# Altium PCB DMX512+6A鋰電充電測試.PcbDoc (continued)
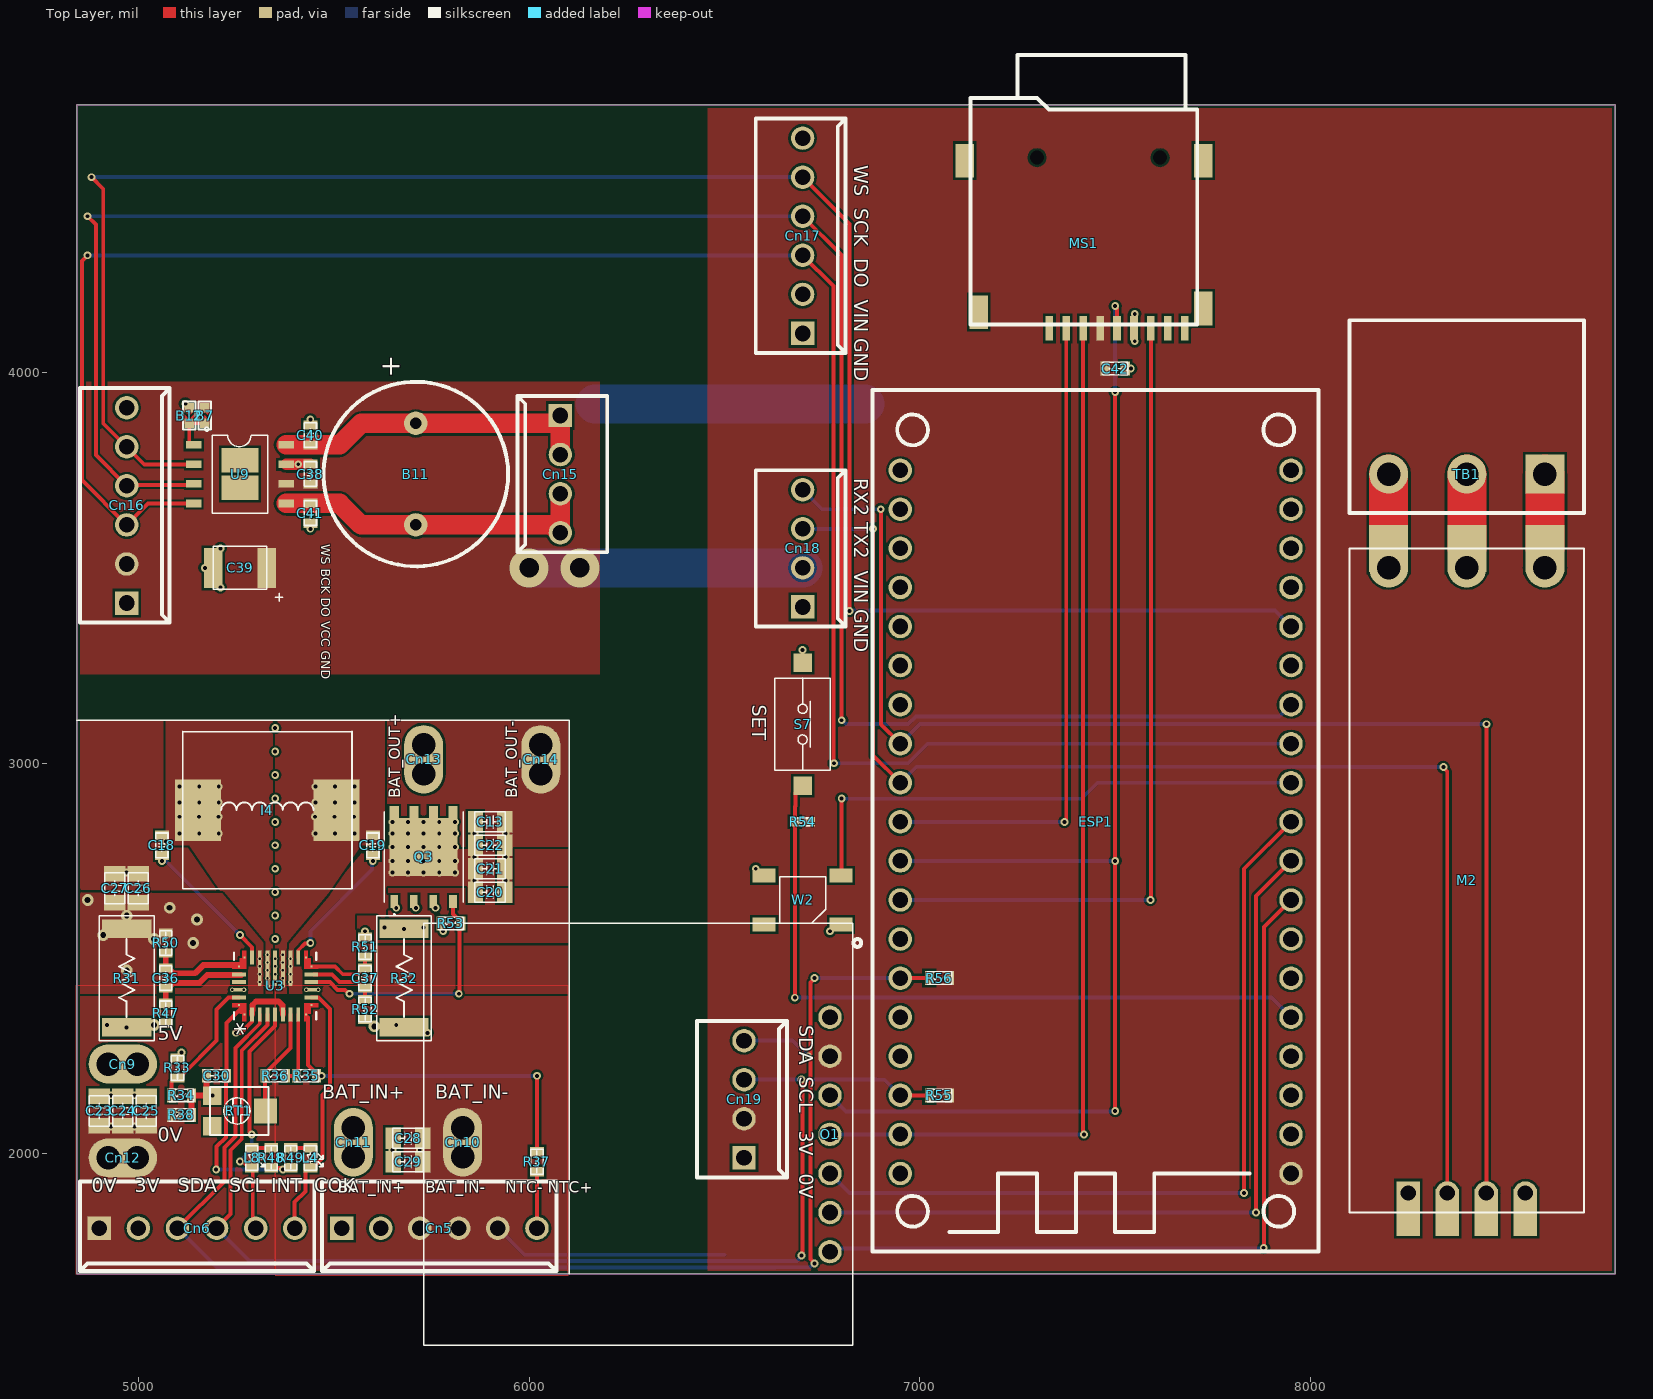
[diagram p0: Top Layer view]
## Components (designator, comment, footprint, x,y, rotation, side; value= is the part's Value field where it differs from the comment)
B7 "不上錫" BYPASS-0402 5170,3890 r90 top
B11 "5V" Buzzer_12085 5710,3740 r90 top
B12 "上錫" BYPASS-0402 5130,3890 r270 top
C13 "22uF 25V" "Cap SMD-0805" 5900,2850 r0 top
C18 "0.1uF 50V" "Cap SMD-0603" 5060,2790 r90 top
C19 "0.1uF 50V" "Cap SMD-0603" 5600,2790 r90 top
C20 "22uF 25V" "Cap SMD-0805" 5900,2670 r0 top
C21 "22uF 25V" "Cap SMD-0805" 5900,2730 r0 top
C22 "22uF 25V" "Cap SMD-0805" 5900,2790 r0 top
C23 "10uF 25V" "Cap SMD-0805" 4900,2110 r270 top
C24 "10uF 25V" "Cap SMD-0805" 4960,2110 r270 top
C25 "10uF 25V" "Cap SMD-0805" 5020,2110 r270 top
C26 "10uF 25V" "Cap SMD-0805" 5000,2680 r90 top
C27 "10uF 25V" "Cap SMD-0805" 4940,2680 r90 top
C28 "22uF 25V" "Cap SMD-0805" 5690,2040 r0 top
C29 "22uF 25V" "Cap SMD-0805" 5690,1980 r0 top
C30 "4.7uF 10V" "Cap SMD-0603" 5200,2200 r180 top
C36 "0.1uF 50V" "Cap SMD-0603" 5070,2450 r90 top
C37 "0.1uF 50V" "Cap SMD-0603" 5580,2450 r90 top
C38 "1uF 50V" "Cap SMD-0603" 5440,3740 r90 top
C39 "220uF 16V" "CAP SMD-B3528" 5260,3500 r180 top
C40 "1nF" "Cap SMD-0603" 5440,3840 r90 top
C41 "1nF" "Cap SMD-0603" 5440,3640 r90 top
C42 "1uF 50V" "Cap SMD-0603" 7500,4010 r0 top
Cn5 "KF2510-6" KF2510-6A 5520,1810 r90 top
Cn6 "KF2510-6" KF2510-6A 4900,1810 r90 top
Cn9 "Contact" "Stamp hole_1\"" 4997.5,2230 r270 top
Cn10 "Contact" "Stamp hole_1\"" 5830,2067.5 r0 top
Cn11 "Contact" "Stamp hole_1\"" 5550,2067.5 r0 top
Cn12 "Contact" "Stamp hole_1\"" 4997.5,1990 r270 top
Cn13 "Contact" "Stamp hole_1\"" 5730,3047.5 r0 top
Cn14 "Contact" "Stamp hole_1\"" 6030,3047.5 r0 top
Cn15 "KF2510-4" KF2510-4A 6080,3890 r0 top
Cn16 "KF2510-6" KF2510-6A 4970,3410 r180 top
Cn17 "KF2510-6" KF2510-6A 6700,4100 r180 top
Cn18 "KF2510-4" KF2510-4A 6700,3400 r180 top
Cn19 "KF2510-4" KF2510-4A 6550,1990 r180 top
ESP1 "ESP32_Node32s" "ESP32 Module" 7450,3050 r180 top locked
I4 "1.5uH" Inductor-1040 5330,2880 r0 top locked
L4 "藍" "LED SMD-0603" 5440,1990 r90 top
L8 "藍" "LED SMD-0603" 5290,1990 r90 top
M2 "RS485toTTL_AUTO" "RS485_AUTO MODULE" 8400,2700 r90 top
MS1 "SD Socket Micro" "SD  CARD SOCKET_Micro" 7416.14,4112.99 r0 top
O1 "排母 1*7P" OLED-SPI/I2C 6770,2050 r270 top locked
Q3 "BSC030N08NS5ATMA1" TDSON-8 5730,2760 r0 top
R31 "10m" "Res SMD-2512" 4970,2450 r90 top
R32 "10m" "Res SMD-2512" 5680,2450 r90 top
R33 "NC" "Res SMD-0603" 5100,2220 r270 top
R34 "NC" "Res SMD-0603" 5110,2150 r0 top
R35 "NC" "Res SMD-0603" 5430,2200 r0 top
R36 "NC" "Res SMD-0603" 5350,2200 r0 top
R37 "NC" "Res SMD-0603" 6020,1980 r90 top
R38 "0R" "Res SMD-0603" 5110,2100 r0 top
R47 "2R" "Res SMD-0603" 5070,2360 r90 top
R48 "330R" "Res SMD-0603" 5340,1990 r90 top
R49 "330R" "Res SMD-0603" 5390,1990 r270 top
R50 "2R" "Res SMD-0603" 5070,2540 r270 top
R51 "2R" "Res SMD-0603" 5580,2530 r270 top
R52 "2R" "Res SMD-0603" 5580,2370 r90 top
R53 "5MR" "Res SMD-0603" 5800,2590 r0 top
R54 "10K" "Res SMD-0402" 6700,2850 r180 top
R55 "2.4K" "Res SMD-0603" 7050,2150 r0 top
R56 "2.4K" "Res SMD-0603" 7050,2450 r0 top
RT1 "10K" "Res SMD-EVM3ESX50B" 5260,2110 r270 top
S7 "Switch" "Switch SMD-3.6*6*2.5" 6700,3100 r270 top
TB1 "HT508R-5.08 _3P" "Terminal block(KF2EDGR-5.08 _3P)" 8600,3740 r180 top
U3 "MP2760GVT" TQFN-30_MP2760_MNP 5350,2430 r90 top value=MP2760GVT-0000-P
U9 "NS4168" SOP-8 5260,3740 r0 top
W2 "WS2812B" "LED SMD-WS2812B" 6700,2650 r0 top

## Footprints (in the part's own frame and the unit in brackets; to place one, negate y for a bottom-side part, rotate by r counter-clockwise, add the part's x,y. Pads: shape width x height; smd on the part's side, far side on the other; paste and mask are expansions set on the pad)
Buzzer_12085 [mil] "蜂鳴器"
  round 60 hole 30: 1(129.92,0) 2(-129.92,0)
  silkscreen extent -236,-236 236,236
BYPASS-0402 [mm] "短接焊點"
  rect 0.6x0.6 smd: 1(-0.5,0) 2(0.5,0)
  Top Layer region: -0.05,-0.3 0.25,0 -0.05,0.3 0.55,0.3 0.55,-0.3
  Top Layer region: -0.575,-0.3 -0.575,0.3 -0.275,0.3 0.025,0 -0.275,-0.3
  silkscreen extent -0.9,-0.4 0.9,0.4
"Cap SMD-0603" [mm] "電容 SMD"
  rect 0.6x0.9 smd: 1(-0.65,0) 2(0.65,0)
  silkscreen extent -0.8,-0.4 0.8,0.4, body extent -0.8,-0.4 0.8,0.4, height 0.3
"Cap SMD-0805" [mm] "電容 SMD"
  rect 1x1.4 smd: 1(-0.95,0) 2(0.95,0)
  silkscreen extent -1,-0.65 1,0.65, body extent -1,-0.62 1,0.63, height 1.25
"CAP SMD-B3528" [mm] "鉭電容 B型"
  rect 1.2x2.6 smd: 1(-1.75,0) 2(1.75,0)
  silkscreen extent -2.79,-1.4 1.75,2.16, body extent -1.75,-1.4 1.75,1.4, height 1.91
"ESP32 Module" [mil] "ESP32模組"
  round 60 hole 40: 0(500,-200) 1(500,800) 2(500,-300) 3(500,700) 4(500,-100) 5(500,200) 6(500,-700) 7(500,-600) 8(500,-500) 9(-500,-400) 10(-500,-500) 11(-500,-600) 12(-500,-100) 13(-500,-300) 14(-500,0) 15(500,-400) 16(500,0) 17(500,100) 18(500,300) 19(500,400) 21(500,600) 22(500,900) 23(500,1000) 25(-500,300) 26(-500,200) 27(-500,100) 32(-500,500) 33(-500,400) 34(-500,700) 35(-500,600) 36(-500,900) 39(-500,800) 40(-500,-700) 41(-500,-200) 41(500,1100) 41(500,500) 42(-500,1100) 43(-500,1000)
  silkscreen extent -571,-906 571,1299, body extent -550,-907 550,1281, height 281
Inductor-1040 [mm] "一體式電感"
  rect 3x4 smd: 1(-4.5,0) 2(4.5,0)
  silkscreen extent -5.5,-5.1 5.5,5.1, body extent -4.33,-4.13 4.33,4.13, height 4
KF2510-4A [mil] "防呆接頭(4P)"
  rect 60x60 hole 40: 1(0,0)
  round 60 hole 40: 2(0,-100) 3(0,-200) 4(0,-300)
  silkscreen extent -110,-350 120,50, body extent -114,-348 114,50, height 461
KF2510-6A [mil] "防呆接頭(6P)"
  rect 60x60 hole 40: 1(0,0)
  round 60 hole 40: 2(0,-100) 3(0,-200) 4(0,-300) 5(0,-400) 6(0,-500)
  silkscreen extent -110,-550 120,50, body extent -110,-549 118,49, height 124
"LED SMD-0603" [mm] "發光二極體 SMD"
  rect 0.6x0.9 smd: 1(-0.65,0) 2(0.65,0)
  silkscreen extent -0.8,-0.84 0.8,0.4, body extent -0.5,-0.25 0.5,0.25, height 0.16
"LED SMD-WS2812B" [mm] "WS2812B燈珠"
  rect 1.5x0.9 smd: 1(-2.5,1.6) 2(-2.5,-1.6) 3(2.5,-1.6) 4(2.5,1.6)
  silkscreen extent -1.5,-3.05 3.81,1.5, body extent -2.7,-2.5 2.7,2.5, height 1.7
OLED-SPI/I2C [mil] "0.96吋OLED顯示器"
  round 60 hole 40: 1(-300,0) 2(-200,0) 3(-100,0) 4(0,0) 5(100,0) 6(200,0) 7(300,0)
  silkscreen extent -540,-1040 540,59, body extent -535,-1037 540,57, height 201
"Res SMD-0402" [mm] "1/16W電阻 SMD"
  rect 0.6x0.6 smd: 1(-0.5,0) 2(0.5,0)
  silkscreen extent -0.5,-0.25 0.5,0.25, body extent -0.5,-0.25 0.5,0.25, height 0.3
"Res SMD-0603" [mm] "1/10W電阻 SMD"
  rect 0.6x0.9 smd: 1(-0.65,0) 2(0.65,0)
  silkscreen extent -0.8,-0.4 0.8,0.4, body extent -0.8,-0.4 0.8,0.4, height 0.45
"Res SMD-2512" [mm] "電阻 SMD"
  rect 1.2x3.2 smd: 1(-3.2,0) 2(3.2,0)
  silkscreen extent -4.06,-1.78 4.06,1.78, body extent -3.21,-1.6 3.21,1.6, height 0.58
"Res SMD-EVM3ESX50B" [mm] "精密可變電阻-EVM3ESX50B"
  rect 1.2x1.2 smd: 1(-1,-1.8) 2(1,-1.8)
  rect 1.6x1.5 smd: 3(0,1.65)
  silkscreen extent -1.55,-1.95 1.55,1.85, body extent -1.55,-1.95 1.55,1.85, height 1.62
"RS485_AUTO MODULE" [mil] "RS485轉TTL模組"
  rect 120x60 smd: 1(-850,150) 2(-850,50) 3(-850,-50) 4(-850,-150)
  rect 60x60 hole 39.37: 1(-800,150)
  round 60 hole 39.37: 2(-800,50) 3(-800,-50) 4(-800,-150)
  round 100 hole 60: 5(800,-200) 6(800,0) 7(800,200)
  rect 120x100 smd: 5(850,-200) 6(850,0) 7(850,200)
  silkscreen extent -850,-300 850,300
"SD  CARD SOCKET_Micro" [mm] "Micro SD卡座"
  rect 0.5x1.6 smd: 1(-2.15,0) 2(-1.05,0) 3(0.05,0) 4(1.15,0) 5(2.25,0) 6(3.35,0) 7(4.45,0) 8(5.55,0) 9(6.65,0)
  rect 1.2x2.2 smd: 10(-7.65,10.9) 10(-6.75,1.05) 10(7.85,1.3) 10(7.85,10.9)
  round 0 hole 0.9: 10(-2.95,11.1) 10(5.05,11.1)
  silkscreen extent -7.27,0.25 7.47,17.78, body extent -7.9,-0.12 8.1,17.78, height 1.85
SOP-8 [mm]
  rect 2.4x1.6 smd: 0(0,-0.889) 0(0,0.889)
  rect 1x0.5 smd: 1(-3,1.905) 2(-3,0.635) 3(-3,-0.635) 4(-3,-1.905) 5(3,-1.905) 6(3,-0.635) 7(3,0.635) 8(3,1.905)
  silkscreen extent -2.29,-2.54 1.8,3.05, body extent -3.02,-2.51 3.02,2.51, height 1.6
"Stamp hole_1\"" [mil] "郵票孔100mil"
  round 100 hole 60: 1(0,0) 1(0,-75)
  oval 100x175 all layers, no hole: 1(0,-37.5)
"Switch SMD-3.6*6*2.5" [mm] "按鍵開關"
  rect 1.2x1.2 smd: 1(-4,0) 2(4,0)
  silkscreen extent -3,-1.8 3,1.8, body extent -4,-1.8 4,1.8, height 2.6
TDSON-8 [mm]
  rect 0.5x0.85 smd: 1(-1.905,-2.9) 2(-0.635,-2.9) 3(0.635,-2.9) 4(1.905,-2.9)
  rect 0.6x0.8 smd: 5(1.905,2.925) 6(0.635,2.925) 7(-0.635,2.925) 8(-1.905,2.925)
  rect 4.41x3.75 smd: 9(0,0.65)
  silkscreen extent -2.58,-3.8 2.58,2.95, body extent -2.58,-3.27 2.58,3.26, height 1.1
"Terminal block(KF2EDGR-5.08 _3P)" [mil] "端子台(KF2EDGR-5.08 _3P))"
  rect 100x100 hole 60: 1(0,0)
  round 100 hole 60: 2(200,0) 3(400,0)
  silkscreen extent -100,-394 500,100, body extent -100,-800 500,89, height 612
TQFN-30_MP2760_MNP [mm]
  rect 0.127x0.127 smd paste-0.064 mask-0.064: 1(-1.85,2) 9(-1.85,-2) 10(-1.25,-2.35) 15(1.25,-2.35) 16(1.85,-2) 24(1.85,2) 25(1.25,2.35) 30(-1.25,2.35)
  rect 0.9x0.25 smd paste+0 mask+0: 2(-1.85,1.5) 3(-1.85,1) 4(-1.85,0.5) 5(-1.85,0) 6(-1.85,-0.5) 7(-1.85,-1) 8(-1.85,-1.5) 17(1.85,-1.5) 23(1.85,1.5)
  rect 0.25x0.9 smd paste+0 mask+0: 11(-0.75,-2.35) 12(-0.25,-2.35) 13(0.25,-2.35) 14(0.75,-2.35) 26(0.75,2.35) 27(0.25,2.35) 28(-0.25,2.35) 29(-0.75,2.35)
  rect 2.3x0.25 smd paste+0 mask+0: 18(1.15,-1) 19(1.15,-0.5) 20(1.15,0) 21(1.15,0.5) 22(1.15,1)
  Top Layer region: 1.8,2.125 2.3,2.125 2.3,1.875 1.125,1.875 1.125,2.8 1.375,2.8 1.375,2.3 1.8,2.3
  Top Layer region: -1.8,-2.125 -2.3,-2.125 -2.3,-1.875 -1.125,-1.875 -1.125,-2.8 -1.375,-2.8 -1.375,-2.3 -1.8,-2.3
  Top Layer region: 1.8,-2.125 2.3,-2.125 2.3,-1.875 1.125,-1.875 1.125,-2.8 1.375,-2.8 1.375,-2.3 1.8,-2.3
  Top Layer region: -1.8,2.125 -2.3,2.125 -2.3,1.875 -1.125,1.875 -1.125,2.8 -1.375,2.8 -1.375,2.3 -1.8,2.3
  silkscreen extent -2.17,-2.68 2.17,2.68, body extent -2.55,-2.55 2.55,2.55, height 0.9

## Part data
B7 B12: library part Bypass, "短路焊點"
B11: library part Buzzer, "無源蜂鳴器"
C13 C18 C19 C20 C21 C22 C23 C24 C25 C26 C27 C28 C29 C30 C36 C37 C38 C39 C40 C41 C42: library part Cap, "電容"
  C23 C24 C25 C26 C27 C30 C36 C37: ComponentLink1Description=datasheet, ComponentLink1URL=chrome-extension://efaidnbmnnnibpcajpcglclefindmkaj/https://product.tdk.com/system/files/dam/doc/product/capacitor/ceramic/mlcc/catalog/mlcc_commercial_general_en.pdf
  C38 C39 C40 C41: ComponentLink1Description=datasheet, ComponentLink1URL=https://product.tdk.com/system/files/dam/doc/product/capacitor/ceramic/mlcc/catalog/mlcc_commercial_general_en.pdf
Cn5 Cn6 Cn16 Cn17: library part Contact(6P), "接線端子"
Cn9 Cn10 Cn11 Cn12 Cn13 Cn14: "接線端子、接點、郵票孔"
Cn15 Cn18 Cn19: library part Contact(4P), "接線端子"
ESP1: "WIFI通訊模組"
I4: library part Inductor, "一體成型電感"
L4 L8: library part LED, "LED"
M2: "TTLtoRS485"
MS1: "Micro SD 卡座"
O1: library part OLED_SPI/I2C, "OLED-SSD1306"
Q3: library part MOS_N_TDSON-8, "場效電晶體_N", Manufacturer_Name=Infineon, Mouser2 Part Number=726-BSC030N08NS5ATMA, Datasheet Link=https://componentsearchengine.com//BSC030N08NS5ATMA1.pdf, Height=1mm, Manufacturer_Part_Number=BSC030N08NS5ATMA1, Mouser2 Price/Stock=https://www.mouser.com/Search/Refine.aspx?Keyword=726-BSC030N08NS5ATMA
R31 R32 R33 R34 R35 R36 R37 R38 R47 R48 R49 R50 R51 R52 R53 R54 R55 R56: library part Res, "電阻"
RT1: library part Res-Tap, "電阻_可變"
S7: "開關_按鍵"
TB1: library part "Terminal block(3P)", "端子台"
U3: "集成 NVDC 电源路径管理的1-4节电池升降压充电IC", Manufacturer_Part_Number=MP2760GVT-0000-P, Mfr_Name="Monolithic Power Systems", #1=當輸入缺失時，MP2760可以以反向方式運作，通過I2C/SMBus控制從電池為輸入提供電源。, #2=當輸入缺失且源模式被禁用時，MP2760以待機模式運作。在待機模式中，系統通過外部電池FET（BATFET）由電池供電。, C="Copyright (C) 2021 Accelerated Designs. All rights reserved", ComponentLink1Description=datasheet, ComponentLink1URL=https://www.monolithicpower.cn/cn/documentview/productdocument/index/version/2/document_type/Datasheet/lang/en/sku/MP2760GVT/document_id/9800/, Copyright="Copyright (C) 2023 Ultra Librarian. All rights reserved."
U9: "I2S音频功率放大器", ComponentLink1Description=datssheet, ComponentLink1URL=http://www.szczkjgs.com/UploadFiles/fujian/3725/NS4168.pdf
W2: "LED_可控燈珠"

## Via types
v1: diameter 20, hole 10, Top Layer to Bottom Layer, tented both sides, 143 vias
v2: diameter 12, hole 6, Top Layer to Bottom Layer, tented both sides, 26 vias
v3: diameter 30, hole 15, Top Layer to Bottom Layer, tented both sides, 10 vias
v4: diameter 100, hole 50, Top Layer to Bottom Layer, tented both sides, 2 vias

## Nets (pads, with @x,y where several pads share a name; then routed paths per layer and width w, separated by ;. In a path a pad name is that pad's centre, name@x,y a point inside that pad or via, vN(x,y) a via of type N, cw(c..) or ccw(c..) an arc to the next point about the centre after c; other vN are vias at no path point)
+3.3: Cn6.2
+5_USB: C23.1 C24.1 C25.1 Cn9.1 R31.1 R33.1 R47.1 U3.28
  other v1: 4930,2150 4990,2150 5110,2260 4970,2324.02 4920,2330
  other v2: 5240,2420 5270,2420
  other v3: 5040,2330
+BAT: C13.1 C20.1 C21.1 C22.1 Cn13.1 Q3.5 Q3.6 Q3.7 Q3.8 Q3.9 U3.18
  other v1: 5860,2700 5650,2720 5690,2720 5730,2720 5770,2720 5810,2720 5650,2750 5690,2750 5730,2750 5770,2750 5810,2750 5860,2760 5650,2785.59 5690,2785.59 5730,2785.59 5770,2785.59 5810,2785.59 5650,2820 5690,2820 5730,2820 5770,2820 5810,2820 5860,2820 5650,2850 5690,2850 5730,2850 5770,2850 5810,2850
  other v2: 5389.37,2440 5389.37,2460 5389.37,2480 5389.37,2500
AGND: C30.2 R34.2 R38.2 RT1.1 U3.2 U3.6 | length 547.1
  Top Layer w10: v1(5250,2310) 5262.29,2310 5290.87,2338.58 5290.87,2357.09 U3.2
  Top Layer w15: R38.2 R34.2 5188.5,2150 5174.41,2164.09 C30.2 ; U3.2 5290.94,2366.12 5292.21,2367.38 5292.21,2381.21 5301,2390 5358.9,2390 5368.42,2380.47 5368.42,2367.38 5369.69,2366.12 U3.6
  Layer 2 w10: v1(5190,2150) 5250,2210 v1(5250,2310)
BAT_IN: C28.1 C29.1 Cn5.1 Cn5.2 Cn11.1 R32.1 R52.1 U3.12
  other v1: 5650,2010 5740,2310 5660,2330
  other v2: 5430,2420 5460,2420
  other v3: 5603.72,2326.6
BCK: Cn16.4 Cn17.4 ESP1.12 U9.3 | length 5241.7
  Top Layer w10: v1(4870,4400) 4891,4379 4891,3789 Cn16.4 4972.5,3712.5 5139.39,3712.5 U9.3 ; Cn17.4 6799,4301 6799,3111 v1(6800,3110)
  Bottom Layer w10: v1(4870,4400) Cn17.4 ; v1(6800,3110) 6800.86,3110 6810.86,3100 6970,3100 6990,3120 7920,3120 ESP1.12
CLK: ESP1.18 MS1.5 O1.3 | length 3416.4
  Top Layer w10: v1(7500,2110) v1(7500,2750) v1(7500,3950) ; v1(7500,4170) 7500,4167.29 7504.72,4162.57 MS1.5
  Bottom Layer w10: O1.3 6811,2109 7499,2109 v1(7500,2110) ; ESP1.18 v1(7500,2750) ; v1(7500,3950) v1(7500,4170)
DO: Cn16.3 Cn17.3 ESP1.14 U9.4 | length 5292
  Top Layer w10: v1(4870,4300) 4855.49,4285.49 4855.49,3724.51 Cn16.3 5025,3665 U9.4 ; Cn17.3 6779,4221 6779,3001 v1(6780,3000)
  Bottom Layer w10: v1(4870,4300) 5000,4300 Cn17.3 ; v1(6780,3000) 6970,3000 7020,3050 ESP1.14
ESP32_3.3: C42.1 Cn19.2 ESP1.42 MS1.4 O1.2 R54.1 R55.2 R56.2
GND: B12.1 C13.2 C20.2 C21.2 C22.2 C23.2 C24.2 C25.2 C26.2 C27.2 C28.2 C29.2 C38.2 C39.2 C40.2 C41.1 C42.2 Cn5.3 Cn5.4 Cn5.5 Cn6.1 Cn10.1 Cn12.1 Cn14.1 Cn16.1 Cn17.1 Cn18.1 Cn19.1 ESP1.41 M2.1 MS1.6 O1.1 R38.1 S7.1 U3.20 U9.7 W2.3 | length 1361.7
  Top Layer w30: U9.7 5378.41,3765.3 5439.7,3765.3 C38.2
  Bottom Layer w10: Cn5.5 5988,1742 6500,1742
  Bottom Layer w100: 6168.58,3920 6860,3920
  other v1: 5720,2010 4930,2070 4990,2070 5100,2100 5350,2550 6770,2570 5350,2610 5350,2670 5940,2700 4970,2720 5350,2730 5940,2760 5350,2790 5940,2820 5350,2850 5350,2910 5350,2970 5350,3030 5350,3090 6700,3290 5210,3450 5170,3500 5210,3550 5440,3600 5409.06,3765.3 5440,3880 5120,3920 7540,4010 7550,4080 7550,4150
  other v2: 5350,2440 5350,2460 5350,2480 5350,2500
IA_N: C36.2 R50.2 U3.24 U3.25 | length 246.1
  Top Layer w15: R50.2 C36.2 5075.91,2475.59 5089,2462.5 5145.1,2462.5 5165.87,2483.26 5263.26,2483.26
IA_P: C36.1 R47.2 U3.26 | length 246.1
  Top Layer w15: R47.2 C36.1 5075.91,2424.41 5089,2437.5 5155.46,2437.5 5176.22,2458.26 U3.26@5263.26,2458.26
MI: ESP1.19 MS1.7 | length 2103.5
  Top Layer w10: v1(7590,2650) 7591.34,2651.34 MS1.7
  Bottom Layer w10: ESP1.19 v1(7590,2650)
MO: ESP1.23 MS1.3 O1.4 | length 2713.8
  Top Layer w10: MS1.3 7418.11,2051.89 v1(7420,2050)
  Bottom Layer w10: O1.4 ESP1.23 v1(7420,2050)
MP2670_INT: Cn6.5 L8.1 U3.5 | length 611.1
  Top Layer w10: v1(5260,1981) 5261.91,1979.09 5269.42,1979.09 5284.09,1964.41 5285.91,1964.41 5292.72,1957.6 5292.72,1817.28 Cn6.5 ; v1(5290,2050) 5284.43,2055.57 5284.43,2261.81 5350,2327.37 U3.5
  Bottom Layer w10: v1(5260,1981) 5290,2011 v1(5290,2050)
NetB7_1: B7.1 B12.2 U9.1 | length 104.4
  Top Layer w10: U9.1 5134.84,3815 5130,3819.84 B12.2 B7.1
NetB11_1: B11.1 C40.1 Cn15.1 Cn15.2 U9.8 | length 833
  Top Layer w50: U9.8 5515.24,3815 5570.16,3869.92 B11.1 6059.92,3869.92 Cn15.1 Cn15.2
NetB11_2: B11.2 C41.2 Cn15.3 Cn15.4 U9.5 | length 831.4
  Top Layer w50: U9.5 5515.24,3665 5570.16,3610.08 B11.2 6057.22,3610.08 6077.29,3590 6080,3592.71 Cn15.3
NetC18_1: C18.1 U3.23 | length 348.7
  Top Layer w10: v1(5260,2560) 5290.94,2529.06 U3.23
  Bottom Layer w10: v1(5060,2750) 5070,2750 v1(5260,2560)
NetC18_2: C18.2 I4.1 U3.21
  other v1: 5070,2800 5105.67,2820 5155.67,2820 5205.67,2820 5104.8,2863.02 5154.8,2863.02 5204.8,2863.02 5105.67,2900 5155.67,2900 5205.67,2900 5105.67,2940 5155.67,2940 5205.67,2940
  other v2: 5330.31,2430 5330.31,2450 5330.31,2470 5330.31,2490 5330.31,2510
NetC19_1: C19.1 U3.17 | length 349
  Top Layer w10: U3.17 5409.13,2502.91 5409.13,2521.42 5426.18,2538.47 5438.47,2538.47 v1(5440,2540) ; C19.1@5587.28,2757.6 5594.09,2764.41 C19.1
  Bottom Layer w10: v1(5440,2540) 5440,2570 5598.09,2728.09 5598.09,2748.09 v1(5600,2750)
NetC19_2: C19.2 I4.2 U3.19
  other v1: 5590,2800 5452.83,2820 5502.83,2820 5552.83,2820 5451.96,2863.02 5501.96,2863.02 5551.96,2863.02 5452.83,2900 5502.83,2900 5552.83,2900 5452.83,2940 5502.83,2940 5552.83,2940
  other v2: 5369.69,2430 5369.69,2450 5369.69,2470 5369.69,2490 5369.69,2510
NetC26_1: C26.1 C27.1 R31.2 R50.1 U3.22
  other v2: 5310.63,2440 5310.63,2460 5310.63,2480 5310.63,2500
  other v3: 4970,2470 5140,2540 5040,2550 4910,2560 5150,2600 4970,2610 5080,2630 4870,2650
NetC30_1: C30.1 R48.1 R49.2 U3.1 U3.30 | length 670.4
  Top Layer w10: v1(5199,1960) 5200,1961 5200,2018.7 5223.76,2042.45 5223.76,2198.17 C30.1 5225.59,2335.59 5270,2380 ; R48.1 5370,1964.41 R49.2
  Bottom Layer w10: v1(5199,1960) v1(5370,1960)
NetCn6_6: Cn6.6 L4.1 U3.11 | length 665.2
  Top Layer w10: Cn6.6 5400,1876.92 5427.28,1904.21 5427.28,1957.6 5434.09,1964.41 L4.1 5445.91,1964.41 5471.36,1989.86 5471.36,2151.36 5490,2170 5490,2371.5 5461.11,2400.39 5442.6,2400.39 U3.11
NetESP1_34: ESP1.34 R54.2 S7.2 | length 1841.5
  Top Layer w10: v1(6680,2400) 6680.16,2400.16 6680.16,2849.84 R54.2 6680.31,2889.82 6681.38,2890.89 6681.38,2923.9 S7.2
  Bottom Layer w10: v1(6680,2400) 7900,2400 ESP1.34
NetL4_2: L4.2 R49.1 | length 50
  Top Layer w10: R49.1@5380,2015.59 L4.2@5430,2015.59
NetL8_2: L8.2 R48.2 | length 50
  Top Layer w10: L8.2@5280,2015.59 R48.2@5330,2015.59
NetM2_5: M2.5 TB1.1 | length 190
  Top Layer w100: M2.5@8600,3550 TB1.1
NetM2_6: M2.6 TB1.2 | length 190
  Top Layer w100: M2.6@8400,3550 TB1.2
NetM2_7: M2.7 TB1.3 | length 190
  Top Layer w100: M2.7@8200,3550 TB1.3
NetQ3_1: Q3.1 Q3.2 Q3.3 R32.2 R51.1 R53.1
  other v1: 5580,2570 5780,2570 5680,2575.98 5630,2580 5730,2580 5660,2630 5710,2630 5760,2630
NetQ3_4: Q3.4 R53.2 U3.13 | length 637.9
  Top Layer w10: U3.13 5490.16,2439.84 5510,2420 5529.14,2420 5539.14,2410 v1(5540,2410) ; Q3.4 5805,2614.09 5816.38,2602.72 5818.78,2602.72 5825.59,2595.91 R53.2 5821.91,2586.32 5821.91,2411.91 v1(5820,2410)
  Bottom Layer w10: v1(5540,2410) v1(5820,2410)
NetR33_2: R33.2 R34.1 U3.29 | length 344.9
  Top Layer w10: R34.1 5084.41,2184.72 5094.09,2194.41 R33.2 5105.91,2194.41 5112.72,2201.22 5112.72,2202.72 5200,2290 5200,2370 5230.47,2400.47 U3.29
NetR35_1: R35.1 R36.2 U3.8 | length 187.9
  Top Layer w10: R36.2 R35.1 5408.98,2204.57 5408.98,2357.09 U3.8
NetR35_2: R35.2 R37.2 U3.9 U3.10 | length 917.2
  Top Layer w10: 5433.66,2349.29 5433.66,2227.83 5455.59,2205.91 R35.2 v1(5469,2200) ; R37.2 v1(6020,2200)
  Bottom Layer w10: v1(5469,2200) v1(6020,2200)
NetR36_1: R36.1 RT1.3 U3.7 | length 274.3
  Top Layer w10: RT1.3 5324.41,2110.55 R36.1 5324.41,2205.91 5389.37,2270.87 U3.7
NTC: Cn5.6 R37.1 | length 144.4
  Top Layer w10: Cn5.6 R37.1
O_CS0: ESP1.33 O1.7 | length 2033.1
  Top Layer w10: v1(7880,1760) 7881,1761 7881,2581 ESP1.33
  Bottom Layer w10: O1.7 6778.09,1758.09 7878.09,1758.09 v1(7880,1760)
O_DC: ESP1.25 O1.6 | length 2027.3
  Top Layer w10: v1(7860,1850) 7860,2660 ESP1.25
  Bottom Layer w10: O1.6 v1(7860,1850)
O_RST: ESP1.26 O1.5 | length 2080.4
  Top Layer w10: v1(7830,1900) 7830,2730 ESP1.26
  Bottom Layer w10: O1.5 6820,1900 v1(7830,1900)
RX2: Cn18.4 ESP1.16 M2.3 | length 3562.1
  Top Layer w10: v1(6900,3650) 6901,3649 6901,3099 v1(6950,3050) ; M2.3@8450,1900 v1(8450,3100)
  Bottom Layer w10: Cn18.4 6750,3650 v1(6900,3650) ; v1(6950,3050) 7000,3100 v1(8450,3100)
SCL: Cn6.4 Cn19.3 ESP1.22 R55.1 U3.4 | length 3087.9
  Top Layer w10: Cn6.4 5236,1846 5236,2009.44 5264.4,2037.84 5264.4,2264.4 5330.31,2330.32 U3.4 ; v1(6696.78,1740) 6696.78,1742.71 6700,1745.92 6700,2180.21 6698.7,2181.52 6698.7,2188.59 v1(6696.78,2190.5) ; ESP1.22 R55.1@7030.31,2150
  Bottom Layer w10: Cn6.4 5284,1726 6686,1726 6686,1726.51 6696.78,1737.29 v1(6696.78,1740) ; Cn19.3 6550.25,2190.25 6696.53,2190.25 v1(6696.78,2190.5) ; v1@6700.25,2190.25 6700.5,2190.5 6701,2191 6889,2191 6890,2190 6910,2190 ESP1.22
SDA: Cn6.3 Cn19.4 ESP1.21 R56.1 U3.3 | length 3535
  Top Layer w10: Cn6.3 5220,1930 5220,2016.07 5248.4,2044.47 5248.4,2271.03 5310.55,2333.18 5310.55,2357.09 U3.3 ; v1(6730,1720) 6730,1720.86 6720,1730.86 6720,2241.78 6714.49,2247.29 v1(6714.49,2250) 6720,2255.51 6720,2439.14 6730,2449.14 v1(6730,2450) ; ESP1.21 R56.1@7030.31,2450
  Bottom Layer w10: Cn6.3 5201,1709 6629,1709 6630,1710 6719.14,1710 6729.14,1720 v1(6730,1720) ; Cn19.4 6674.49,2290 v1(6714.49,2250) ; v1(6730,2450) ESP1.21
SR_N: C37.1 R52.2 U3.14 | length 175.2
  Top Layer w10: U3.14@5449.86,2459.53 5495.17,2459.53 5514.69,2440 5561.43,2440 5567.28,2434.14 5567.28,2431.22 5574.09,2424.41 C37.1 R52.2
SR_P: C37.2 R51.2 U3.15 U3.16 | length 165
  Top Layer w10: 5460.24,2480 5460.71,2479.53 5503.45,2479.53 5522.98,2460 5561.43,2460 5567.28,2465.86 5567.28,2468.78 5574.09,2475.59 C37.2 R51.2
SS: ESP1.5 MS1.2 | length 1685
  Top Layer w10: v1(7370,2850) 7374.8,2854.8 MS1.2
  Bottom Layer w10: ESP1.5 v1(7370,2850)
TX2: Cn18.3 ESP1.17 M2.2 | length 3410.5
  Top Layer w10: v1(6880,3600) 6880,3020 ESP1.17 ; v1(8340,2990) 8340,2989.14 8350,2979.14 8350,1900 M2.2@8350,1850
  Bottom Layer w10: Cn18.3 v1(6880,3600) ; ESP1.17 6991,2991 8099,2991 8100,2990 v1(8340,2990)
VIN: B7.2 C38.1 C39.1 Cn16.2 Cn17.2 Cn18.2 ESP1.40 M2.4 U9.6 W2.1 | length 701.4
  Bottom Layer w100: v4(6000,3500) Cn18.2@6701.42,3500
  other v1: 6580,2730
  other v4: 6130,3500
WS: Cn16.5 Cn17.5 ESP1.13 U9.2 | length 5044.9
  Top Layer w10: v1(4880,4500) 4910,4470 4910,3870 Cn16.5 5015,3765 U9.2 ; Cn17.5 6820,4380 v1(6820,3390)
  Bottom Layer w10: v1(4880,4500) Cn17.5 ; v1(6820,3390) 6821,3391 7909,3391 ESP1.13
WS2812: ESP1.27 W2.4 | length 1366.5
  Top Layer w10: W2.4@6798.43,2711.57 6800,2713.15 v1(6800,2910)
  Bottom Layer w10: v1(6800,2910) 6801,2909 7414.24,2909 7455.24,2950 ESP1.27
pads on no net: Cn16.6 Cn17.6 ESP1.0 ESP1.1 ESP1.2 ESP1.3 ESP1.4 ESP1.6 ESP1.7 ESP1.8 ESP1.9 ESP1.10 ESP1.11 ESP1.15 ESP1.32 ESP1.35 ESP1.36 ESP1.39 ESP1.43 MS1.1 MS1.8 MS1.9 MS1.10 RT1.2 U3.27 U9.0 W2.2

## Polygon pours and split planes (outlines as drawn)
VIN on Top Layer "VIN_L01_P027" (solid, pour order 27): 4842.52,3228.35 6181.1,3228.35 6181.1,3976.38 4842.52,3976.38
ESP32_3.3 on Top Layer "ESP32_3.3_L01_P029" (solid, pour order 29): 8779.53,1692.91 6456.69,1692.91 6456.69,4685.04 8779.53,4685.04
NetC18_2 on Top Layer "NETC18_2_L01_P015" (solid, pour order 15): 5350,2410 5350,3110 5070,3110 5070,2790 5130,2790 5214.26,2666.89 5320,2540 5320,2410
NetC19_2 on Top Layer "NETC19_2_L01_P010" (solid, pour order 10): 5350,2410 5350,3110 5630,3110 5630,2790 5570,2790 5485.74,2666.89 5380,2540 5380,2410
no net on Top Layer "NONET_L01_P020" (solid, pour order 20): 5350,1690 5670,1690 6100,1690 6100,2430 5350,2430
GND on Top Layer "GND_L01_P018" (solid, pour order 18): 4842.52,3110 4842.52,1692.91 6100,1692.91 6100,3110
no net on Top Layer "NONET_L01_P021" (solid, pour order 21): 4840,1692.91 5350,1692.91 5350,2430 4840,2430
+BAT on Top Layer "+BAT_L01_P014" (solid, pour order 14): 5380,2410 5380,2540 5579.79,2780 6100,2780 6100,2410
no net on Top Layer "NONET_L01_P013" (solid, pour order 13): 5560,2610 5560,2540 6100,2540 6100,2680 5640,2680 5640,2610
NetC26_1 on Top Layer "NETC26_1_L01_P012" (solid, pour order 12): 4850,2410 4850,2670 5214.26,2666.89 5320,2540 5320,2410
no net on Top Layer "NONET_L01_P006" (solid, pour order 6): 5350,2424
no net on Top Layer "NONET_L01_P003" (solid, pour order 3): 5343.51,2424
VIN on Layer 1 "VIN_L02_P026" (solid, pour order 26): 4842.52,3228.35 6181.1,3228.35 6181.1,3976.38 4842.52,3976.38
VIN on Layer 1 "VIN_L02_P028" (solid, pour order 28): 8779.53,1692.91 6456.69,1692.91 6456.69,4685.04 8779.53,4685.04
no net on Layer 1 "NONET_L02_P023" (solid, pour order 23): 5350,2410 5350,3110 5070,3110 5070,2790 5130,2790 5214.26,2666.89 5320,2540 5320,2410
no net on Layer 1 "NONET_L02_P022" (solid, pour order 22): 5350,2410 5350,3110 5630,3110 5630,2790 5570,2790 5485.74,2666.89 5380,2540 5380,2410
+5_USB on Layer 1 "+5_USB_L02_P001" (solid, pour order 1): 4840,1692.91 5350,1692.91 5350,2430 4840,2430
BAT_IN on Layer 1 "BAT_IN_L02_P000" (solid, pour order 0): 5350,1690 5670,1690 6100,1690 6100,2430 5350,2430
NetC26_1 on Layer 1 "NETC26_1_L02_P019" (solid, pour order 19): 5321.98,2410 5321.52,2541.27 5215.85,2668.08 5131.64,2791.11 ccw(c5130,2790) 5130,2791.98 5073.35,2791.98 5071.98,3110.01 ccw(c5070,3110) 5070,3111.98 4842.52,3110.01 4842.52,2410 ccw(c4840.54,2410) 4840.54,2408.02 5320,2408.02 ccw(c5320,2410)
+BAT on Layer 1 "+BAT_L02_P017" (solid, pour order 17): 5378.02,2410 5378.02,2540 cw(c5380,2540) 5378.48,2541.27 5484.15,2668.08 5568.36,2791.11 cw(c5570,2790) 5568.37,2791.13 5568.36,2791.12 cw(c5570,2790) 5570,2791.98 5626.65,2791.98 5628.02,3110.01 cw(c5630,3110) 5630,3111.98 6102.36,3112.22 cw(c6102.36,3110.24) 6104.35,3110.24 cw(c6102.36,3110.24) 6104.35,3110.23 6101.98,2409.99 ccw(c6100,2410) 6101.98,2410 6101.98,2409.99 cw(c6100,2410) 6100,2408.02 5380,2408.02 cw(c5380,2410)
NetQ3_1 on Layer 1 "NETQ3_1_L02_P008" (solid, pour order 8): 5560,2610 5560,2540 6100,2540 6100,2680 5640,2680 5640,2610
GND on Layer 2 "GND_L03_P031" (solid, pour order 31): 8779.53,1692.91 6456.69,1692.91 6456.69,4685.04 8779.53,4685.04
GND on Layer 2 "GND_L03_P025" (solid, pour order 25): 4842.52,3228.35 6181.1,3228.35 6181.1,3976.38 4842.52,3976.38
GND on Layer 2 "GND_L03_P016" (solid, pour order 16): 4842.52,3110.24 6102.36,3110.24 6102.36,1692.91 4842.52,1692.91
GND on Bottom Layer "GND_L04_P030" (solid, pour order 30): 8779.53,1692.91 6456.69,1692.91 6456.69,4685.04 8779.53,4685.04
GND on Bottom Layer "GND_L04_P011" (solid, pour order 11): 4842.52,3110.24 6102.36,3110.24 6102.36,1692.91 4842.52,1692.91
GND on Bottom Layer "GND_L04_P024" (solid, pour order 24): 4842.52,3228.35 6181.1,3228.35 6181.1,3976.38 4842.52,3976.38

## Keep-outs
Keep-Out Layer:
  the board outline again, w3.94

## Silkscreen, mask and mechanical layers (free items; w line width, h text height)
Top Overlay:
  lines w3.94: 4842.52,3110.24 6102.36,3110.24 6102.36,1692.91
  text "WS  SCK  DO  VIN GND" at 6820,4530 h60 r270
  text "RX2 TX2  VIN GND" at 6820,3730 h60 r270
  text "WS BCK DO VCC GND" at 5460,3560 h40 r270
  text "SET" at 6560,3150 h60 r270
  text "BAT_OUT+" at 5680,2910 h50 r90
  text "BAT_OUT-" at 5980,2910 h50 r90
  text "SDA  SCL   3V   0V" at 6680,2330 h60 r270
  text "5V" at 5050,2280 h60
  text "BAT_IN+" at 5470,2130 h60
  text "BAT_IN-" at 5760,2130 h60
  text "0V" at 5050,2020 h60
  text "0V   3V   SDA  SCL INT  COK" at 4880,1890 h60
  text "BAT_IN+    BAT_IN-    NTC- NTC+" at 5510,1890 h50

## Text inside footprints (layer, text, board x,y; h text height)
B11: Top Overlay "+" at 5668.96,3986.22 h50 r90
U3: Top Overlay "*" at 5296.26,2301.95 h50 r90; Mechanical 13 "*" at 5296.26,2310.11 h50 r90